# Altium PCB OBC Development Board.PcbDoc (part 2 of 3)
Units mil, origin at the board's own origin, x right, y up, seen from the top; angles counter-clockwise.
Board outline 3775.59 x 3550.2 mil, 6 copper layers (L1 Top Layer, L2 GND, L3 Signal, L4 Signal, L5 GND, L6 Bottom Layer), stack 61.638 mil thick; 225 components, 188 nets, 885 pads, 667 vias.
Unrouted connection lines stored in the file: 1.
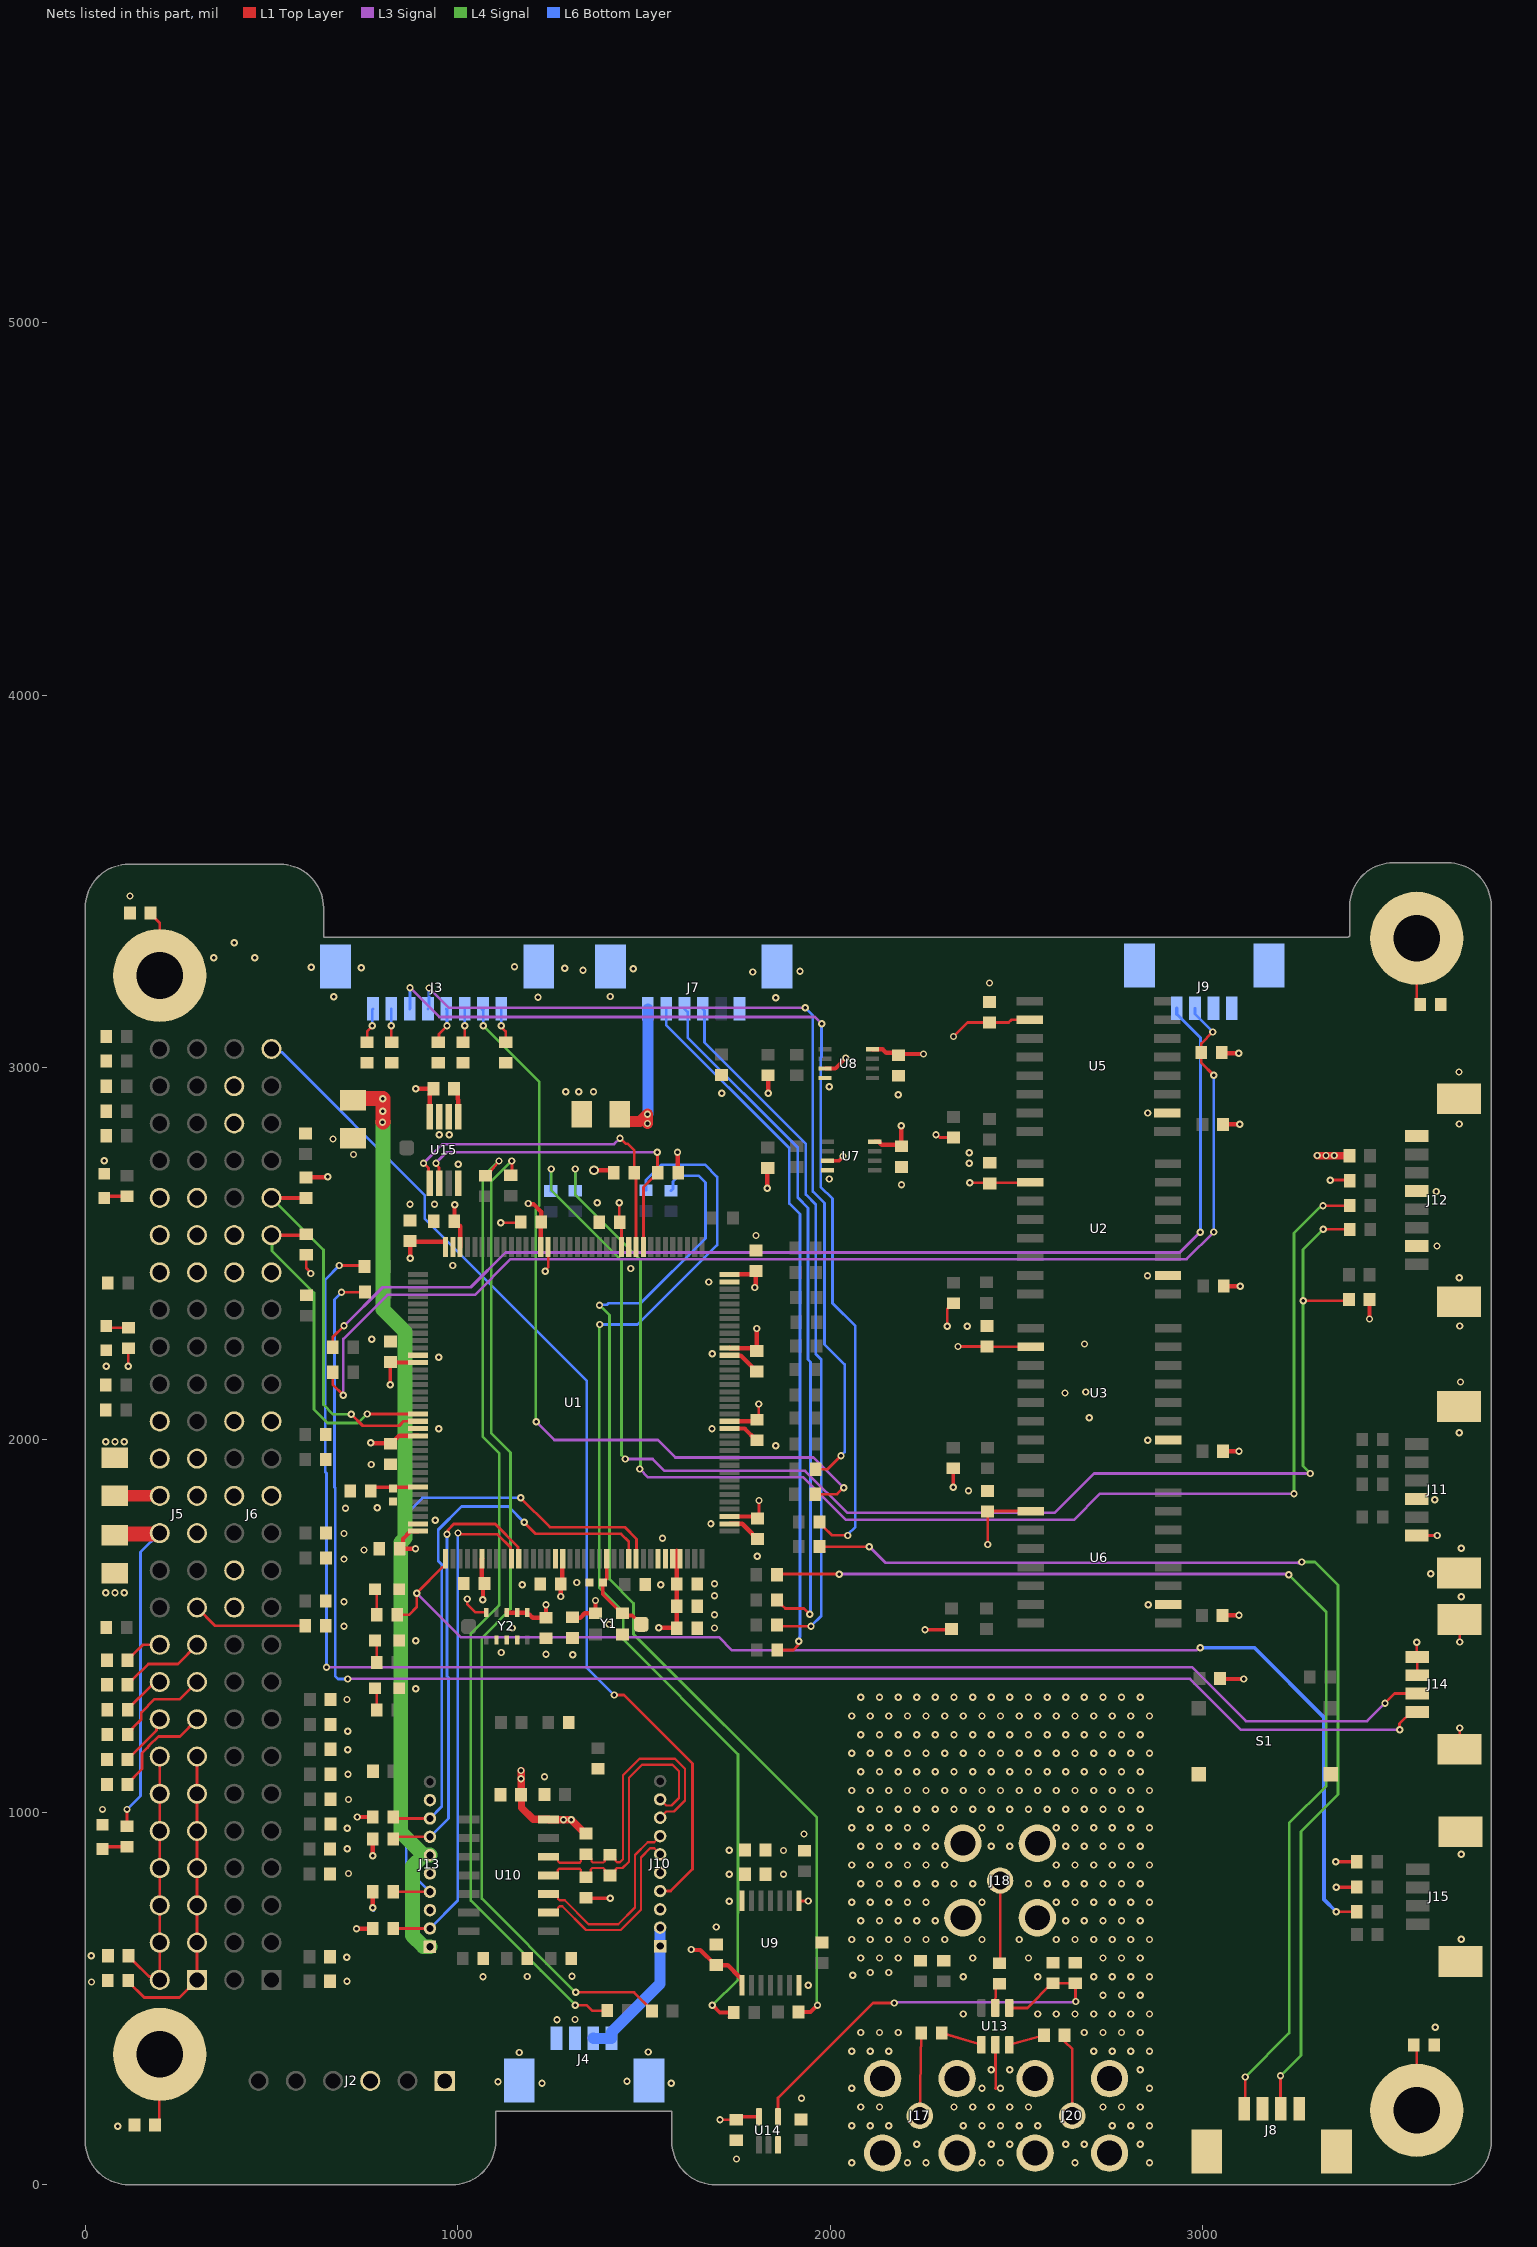
[diagram p6: the nets of this part, all layers, seen from the top]

## Via types
v1: diameter 19.68, hole 9.84, L1 Top Layer to L6 Bottom Layer, tented both sides, 666 vias
v2: diameter 26, hole 15, L1 Top Layer to L6 Bottom Layer, tented both sides, 1 vias

## Nets (pads, with @x,y where several pads share a name; then routed paths per layer and width w, separated by ;. In a path a pad name is that pad's centre, name@x,y a point inside that pad or via, vN(x,y) a via of type N, cw(c..) or ccw(c..) an arc to the next point about the centre after c; other vN are vias at no path point)
3V3: C1.2 C2.2 C3.2 C4.2 C5.2 C6.2 C7.2 C8.2 C9.2 C10.2 C12.2 C13.1 C14.2 C15.2 C16.2 C17.2 C18.2 C20.2 C22.1 C23.2 C25.2 C26.1 C27.1 C28.1 C30.1 C51.2 C53.2 C54.2 J2.01 J5.27 J5.28 J11.1 R19.1 R20.1 R34.1 R35.1 R38.2 R49.1 R54.1 R70.1 R71.1 R79.2 R82.1 R85.1 R86.1 R91.2 R92.1 R93.1 R117.1 R126.1 R128.1 R129.1 R134.2 R137.2 R138.1 U1.6 U1.17 U1.32 U1.33 U1.39 U1.52 U1.62 U1.72 U1.84 U1.95 U1.106 U1.108 U1.121 U1.131 U1.144 U2.2 U3.2 U5.2 U6.2 U7.3 U7.8 U8.3 U8.8 U9.1 U9.8 U14.5 U15.8 Y1.4 Y2.1 Y2.2 Y2.3 | length 5263.9
  L1 Top Layer w7.33: v1(115.16,2197.83) 115.16,2244.77 R134.2@116.45,2246.06 ; R91.2@592.52,2704.72 R91.2@594.49,2704.72 ; R92.1@593.5,2496.06 593.5,2462 605.32,2450.19 v1(605.32,2446.85) ; C54.2@944.88,2942.91 C54.2@946.36,2941.44 ; v1(1434.06,2636.81) 1434.06,2585.63 1439.81,2579.87 U1.84@1439.81,2517.91 ; v1(1704.47,174.21) C53.2@1748.03,174.21 ; C6.2@1790.17,1794.48 C6.2@1797.24,1787.4 ; C6.2@1805.12,1789.37 1809.06,1793.31 v1(1809.06,1837.6) ; C7.2@1806,2050 1808.67,2052.67 v1(1808.67,2096.64) ; U9.8@1916.74,762.04 v1(1941.17,762.04) ; v1(2284.45,2819.88) 2287.07,2819.88 2294.94,2812.01 R126.1@2331.69,2812.01 ; v1(2314.96,2305.12) 2314.96,2352.36 2329.72,2367.13 R117.1@2331.69,2367.13 ; v1(2331.69,3083.66) 2369.31,3121.28 2479.65,3121.28 2486.69,3128.32 U5.2@2543.77,3128.32 ; v1(2343.5,2250.98) C23.2@2419.29,2250.98 ; v1(2375,2690.95) 2427.17,2690.95 C22.1@2429.13,2688.98 2431.02,2690.87 U2.2@2543.15,2690.87 ; C25.2@2411.42,1809.39 2411.42,1811.02 C25.2@2412.4,1812.01 ; C25.2@2415.02,1809.39 U6.2@2519.83,1809.39 ; v1(2423.23,1719.49) C25.2@2423.23,1811.02 ; C23.2@2429.13,2250 2429.39,2250.25 U3.2@2546.41,2250.25 ; 2441.93,1808.41 U6.2@2538.54,1808.41 ; v1(3343.5,2697.83) 3393.7,2697.83 R38.2@3395.67,2695.87 ; J11.1@3575.16,1743.31 v1(3630.51,1743.31)
  L1 Top Layer w10: C16.2@815.94,2214.57 822.65,2207.87 U1.121@893.55,2207.87 ; C16.2@818.31,2209.25 819.3,2208.26 v1(819.3,2148.22) ; v1(1189.96,2634.84) v1@1191.37,2633.43 ; C14.2@1224.41,2585.63 C14.2@1224.63,2585.85 ; C12.2@1237.2,1536.43 v1(1237.2,1557.09) ; C20.2@1309.06,1522.64 C20.2@1308.07,1523.62 C20.2@1312.01,1527.56 ; Y1.4@1370.08,1534.45 v1(1370.08,1568.9) ; R70.1@1590.55,2719.49 R70.1@1592.52,2717.52 ; C53.2@1748.03,174.21 1756.3,182.48 U14.5@1809.06,182.48 ; R128.1@1831.69,2729.33 R128.1@1832.68,2730.32 R128.1@1834.65,2730.32 ; U8.3@1986.89,2997.64 2014.37,2997.64 v1(2042.32,3025.59) ; U7.3@1993.07,2749.61 2024.38,2749.61 2034.71,2759.94 v1(2034.71,2761.81) ; C28.1@2184.06,3033.46 C28.1@2187.01,3036.42 ; C27.1@2190.94,2789.37 C27.1@2191.93,2788.39 ; v1(2254.92,1490.16) 2323.82,1490.16 R34.1@2325.79,1492.13 ; v1(2330.71,1873.03) R35.1@2330.71,1924.21 ; R79.2@3047.24,1359.25 3048.23,1358.27 v1(3111.22,1358.27)
  L1 Top Layer w11.81: R91.2@592.52,2705.94 650.35,2705.94 v1(651.57,2707.17) ; R91.2@594.49,2704.72 R91.2@595.71,2705.94 ; v1(728.35,687.01) 770.84,687.01 R20.1@772.06,688.22 ; v1(730.63,987.43) R54.1@772.06,987.43 ; v1(766.73,1992.13) 767.72,1991.14 820.87,1991.14 821.85,1990.16 842.71,2011.02 U1.131@893.55,2011.02 ; v1(772.06,743.51) R49.1@772.06,786.65 ; v1(772.06,883.46) R19.1@772.06,928.38 ; C51.2@872.05,2534.45 873.03,2533.46 v1(873.03,2488.19) ; C51.2@874.02,2532.7 966.39,2532.7 967.37,2531.72 U1.108@967.37,2517.91 ; v1(887,1708) C18.2@844.56,1708 853.11,1716.55 853.11,1734.35 872.88,1754.13 892.57,1754.13 U1.144@893.55,1755.11 ; v1(887.8,2942.91) C54.2@935.04,2942.91 ; C54.2@922.56,2941.61 C54.2@930.43,2949.49 ; U15.8@925.2,2868.04 925.2,2931.1 932.4,2938.31 C54.2@937.68,2938.31 ; v1(992.13,2631.89) 991.63,2631.4 991.63,2588.09 C15.2@991.14,2587.6 1000.98,2580.09 1006.74,2574.33 U1.106@1006.74,2517.91 ; C4.2@1064.81,1607.25 1064.81,1680.31 U1.6@1065.8,1681.29 ; v1(1067.18,1571.3) 1068.04,1572.16 1068.04,1604.6 1067.62,1605.02 C4.2@1068.9,1606.3 ; Y2.3@1132,1538.21 1132,1536.53 1132.09,1536.43 Y2.1@1187.01,1536.43 ; Y2.1@1187.01,1537.21 1187.01,1531.21 1187.1,1531.12 1193.1,1531.12 1201.58,1522.64 C12.2@1237.2,1522.64 ; v1@1191.37,2633.43 1203.68,2633.43 1224.63,2612.49 C14.2@1224.63,2585.85 ; U1.95@1223.28,2517.91 1223.28,2584.5 C14.2@1224.41,2585.63 ; v1(1276.57,1579.72) C5.2@1276.57,1613.19 C5.2@1276.57,1613.98 ; C5.2@1276.56,1614 1281.35,1618.79 1281.35,1680.31 U1.17@1282.33,1681.29 ; C20.2@1309.06,1522.64 1329.72,1522.64 1341.54,1534.45 Y1.4@1370.08,1534.45 ; v2(1366.14,2724.41) 1413.83,2724.41 R71.1@1416.34,2721.9 ; v1(1540.35,1496.06) 1586.42,1496.06 C3.2@1588.13,1494.35 C2.2@1588.13,1553.4 1588.13,1702.87 ; v1(1626.97,631.89) 1628.48,630.38 1651.74,630.38 1692.33,589.8 1725.17,589.8 1757.65,557.31 1762.21,557.31 1763.2,556.33 U9.1@1763.2,535.66 ; U1.52@1730.17,2050.39 1730.36,2050.19 1805.81,2050.19 C7.2@1806,2050 ; U1.62@1730.17,2247.24 1731.15,2246.25 1795.75,2246.25 C8.2@1803,2239 1803.15,2239.15 v1(1803.15,2299.45) ; U1.72@1730.17,2444.09 1731.15,2445.07 1792.63,2445.07 C9.2@1801,2453.44 1801,2414.35 1798.23,2411.58 v1(1798.23,2409.45) ; U1.39@1730.46,1794.18 U1.39@1730.17,1794.48 C6.2@1790.17,1794.48 ; v1(1831.69,2676.18) R128.1@1831.69,2729.33 ; v1(1833.66,2931.1) R129.1@1833.66,2979.33 ; U8.8@2114.06,3048.82 2141.73,3048.82 2151.18,3039.37 C28.1@2184.06,3039.37 ; U7.8@2120.24,2800.79 2132.05,2800.79 2132.05,2799.24 2138.97,2792.32 2187.99,2792.32 2190.94,2789.37 v1(2190.94,2843.5) ; C28.1@2187.01,3036.42 v1(2250.98,3036.42) ; R137.2@3052.17,3040.35 3054.13,3038.39 v1(3097.44,3038.39) ; R86.1@3054.13,1528.54 3055.12,1529.53 v1(3098.43,1529.53) ; R85.1@3055.12,1969.49 v1(3098.43,1969.49) ; R93.1@3055.12,2847.44 v1(3100.39,2847.44) ; R82.1@3057.09,2413.39 3058.07,2412.4 v1(3101.38,2412.4) ; v1(3448.82,2324.8) R138.1@3448.82,2376.97
  L1 Top Layer w11.88: R70.1@1590.55,2719.49 v1(1590.55,2772.64)
  L1 Top Layer w30: C13.1@78.74,1850.39 79.13,1850 J5.28@200,1850
  L6 Bottom Layer w7.33: v1(772.06,743.51) 773.91,741.66 v1@773.91,736.02
3V3_ANT_DEPLOY: C49.1 J6.50 J13.1 J13.6 | length 2469.1
  L1 Top Layer w40: C49.1@719.02,2912.72 722.83,2916.54 v1(799.02,2916.54) 799.21,2916.34 v1@799.21,2853.35
  L4 Signal w40: v1@800,2853.35 800,2350 859.14,2290.86 859.14,1736.48 847.16,1724.5 847.16,946.64 906.24,887.55 ; J13.1@925.6,639.01 908.72,639.01 878.87,668.86 878.87,855.22 908.72,885.07 J13.6@925.6,885.07
  other v1: 798.23,2853.35 799.21,2882.87
3V3_CAM: C48.1 J6.48 J7.1 | length 403.4
  L1 Top Layer w30: C48.1@1435,2875 1435,2867.54 1447.56,2854.99 1489.99,2854.99 v1(1510,2875) v1(1510,2850)
  L6 Bottom Layer w30: v1@1510.83,2875 J7.1@1510.83,3157.48
5V: C11.1 C29.1 C31.2 C32.1 J5.25 J5.26 R8.2 R41.2 R135.2 U9.14 U10.14 | length 1362.3
  L1 Top Layer w7.33: R135.2@112.2,962.6 v1(112.2,1007.87)
  L1 Top Layer w10: U10.14@1220.31,986.21 1225.81,980.71 U10.14@1244.06,980.71 ; R8.2@1342.52,942.91 R8.2@1344.49,942.91
  L1 Top Layer w15: R41.2@3394.65,2763.58 R41.2@3394.84,2763.39
  L1 Top Layer w20: v1(1170.28,1112.2) C32.1@1170.28,1047.24 1171.49,1046.03 1171.49,1012.57 1202.87,981.19 1243.58,981.19 U10.14@1244.06,980.71 ; U10.14@1244.23,980.88 1244.79,980.31 v1(1284.45,980.31) v1(1305.12,980.31) R8.2@1342.52,942.91 ; v1(3308.07,2763.78) 3308.27,2763.58 R41.2@3394.65,2763.58
  L1 Top Layer w40: C11.1@78.74,1744.09 81.69,1747.05 197.05,1747.05 J5.26@200,1750
  L6 Bottom Layer w7.33: v1(112.2,1007.87) 148.62,1044.29 148.62,1698.62 J5.26@200,1750
  other v1: 1729.33,760.83 1729.33,833.66 1729.33,898.62 1170.28,1090.55 3331.69,2763.78 3354.33,2763.78
5V0_MPI: J6.51 J10.4 | length 2809.2
  L1 Top Layer w7.33: v1(1420.28,1314.96) 1446.85,1314.96 1630.91,1130.91 1630.91,847.44 1572.08,788.61 J10.4@1543.71,788.61
  L6 Bottom Layer w7.33: J6.51@500,3050 508.92,3041.08 527.82,3041.08 911.42,2657.48 911.42,2594.49 1346.57,2159.33 1346.57,1578.64 1346.57,1388.66 v1(1420.28,1314.96)
12V_MPI: J4.1 J4.2 J10.1 J10.2 | length 400.6
  L6 Bottom Layer w30: J4.2@1364.17,393.7 1365.16,392.72 1412.64,392.72 1413.39,393.46 J4.1@1413.39,393.7 1413.39,409.45 1543.71,539.77 J10.1@1543.71,640.98 J10.2@1543.71,690.19
BOOM_CTRL_1: J8.1 R10.2 | length 2943.6
  L1 Top Layer w7.33: R10.2@1859.25,1639.76 v1(2024.61,1639.76) ; J8.1@3115.16,206.69 v1(3115.16,289.37)
  L1 Top Layer w10: R10.2@1857.28,1637.8 R10.2@1859.25,1639.76 ; J8.1@3112.2,203.74 J8.1@3115.16,206.69
  L3 Signal w7.33: v1(2024.61,1639.76) v1@3227.69,1639.76
  L3 Signal w10: v1@3227.69,1639.76 3229.66,1637.8 v1(3232.28,1637.8)
  L4 Signal w7.33: v1(3115.16,289.37) 3233.03,407.24 3233.03,971.22 3332.72,1070.91 3332.72,1537.36 v1(3232.28,1637.8)
BOOM_CTRL_2: J8.3 R39.1 | length 2941.3
  L1 Top Layer w7.33: R39.1@1984.17,1700.87 1982.2,1700.87 1971.46,1711.61 R39.1@1971.46,1713.58 v1(2105.31,1713.58) ; J8.3@3209.65,189.19 v1(3209.65,292.32)
  L3 Signal w7.33: v1(2105.31,1713.58) 2148.62,1670.28 v1@3257.92,1670.28
  L3 Signal w10: v1@3257.92,1670.28 3258.03,1670.39 3264.88,1670.39 v1(3266.73,1672.24)
  L4 Signal w7.33: v1(3209.65,292.32) 3264.76,347.44 3264.76,948.82 3364.17,1048.23 3364.17,1610.24 3302.17,1672.24 v1(3266.73,1672.24)
BOOT0: C37.1 R33.2 U1.138 | length 131
  L1 Top Layer w10: R33.2@766.73,1863.19 776.76,1873.22 U1.138@893.55,1873.22
CAM_EN: J7.2 R31.1 | length 1921
  L1 Top Layer w7.33: R31.1@1858.27,1436.02 1901.69,1436.02 1914.49,1448.82 1914.49,1458.03 v1(1916.34,1459.88)
  L6 Bottom Layer w7.33: J7.2@1560.04,3157.48 1560.04,3114.17 1890.75,2783.46 1890.75,2634.84 1919.29,2606.3 1919.29,1471.77 1918.19,1470.67 1918.19,1461.74 v1(1916.34,1459.88)
Debug_LED: R1.2 R58.1 U1.1 | length 3392.5
  L1 Top Layer w7.33: R1.2@838.1,1530.44 869.44,1530.44 889.84,1550.84 v1(889.84,1588.46) 959.76,1658.38 964.15,1658.38 967.37,1661.61 U1.1@967.37,1665.99 ; v1(3359.25,733.27) R58.1@3414.37,733.27
  L1 Top Layer w11.81: U1.1@966.39,1670.28 967.37,1671.26 U1.1@967.37,1681.29
  L3 Signal w7.04: v1(889.84,1588.46) 1008.07,1470.24 1701.23,1470.24 1736.43,1435.04 2984.58,1435.04 v1@2991.47,1441.93
  L3 Signal w10: v1@2991.47,1441.93 v1(2994.09,1441.93)
  L6 Bottom Layer w10: v1(2994.09,1441.93) 3139.76,1441.93 3326.77,1254.92 3326.77,765.75 v1(3359.25,733.27)
GND: C1.1 C2.1 C3.1 C4.1 C5.1 C6.1 C7.1 C8.1 C9.1 C10.1 C11.2 C12.1 C13.2 C14.1 C15.1 C16.1 C17.1 C18.1 C19.1 C20.1 C21.2 C22.2 C23.1 C25.1 C26.2 C27.2 C28.2 C29.2 C30.2 C31.1 C32.2 C37.2 C43.2 C46.1 C48.2 C49.2 C51.1 C53.1 C54.1 D1.C D2.C D3.C D4.C D5.C D6.C J2.03 J3.S1 J3.S2 J4.3 J4.4 J4.S1 J4.S2 J5.29 J5.30 J5.32 J5.39 J5.40 J5.41 J5.42 J5.43 J5.44 J6.22 J6.24 J6.27 J6.28 J6.31 J6.32 J6.39 J6.40 J6.42 J7.6 J7.S1 J7.S2 J8.2 J8.4 J8.S1 J8.S2 J9.3 J9.4 J9.S1 J9.S2 J10.3 J10.5 J11.3 J11.S1 J11.S2 J12.2 J12.5 J12.8 J12.S1 J12.S2 J13.3 J13.5 J13.9 J14.3 J14.4 J14.S1 J14.S2 J15.S1 J15.S2 J17.0 J18.0 J20.0 R4.1 R5.1 R6.1 R7.1 R11.1 R33.1 R55.1 R59.1 R60.1 R61.1 R63.1 R64.1 R65.2 R66.1 R68.1 R69.1 R72.1 R73.1 R74.1 R75.1 R76.1 R78.1 R80.1 R81.1 R84.1 R94.2 R95.1 R96.1 R97.2 R98.2 R99.2 R100.1 R101.2 R102.1 R103.2 R104.1 R105.2 R106.1 R108.2 R110.1 R111.2 R112.1 R113.2 R114.1 R115.2 R116.1 R118.2 R119.1 R120.2 R121.1 R122.2 R123.1 R124.2 R125.2 R127.2 R131.1 R132.1 R133.2 R139.1 R140.1 R141.1 S1.3 S1.4 U1.16 U1.30 U1.31 U1.38 U1.51 U1.61 U1.71 U1.83 U1.94 U1.107 U1.120 U1.130 U1.143 U2.10 U3.10 U5.10 U6.10 U7.4 U8.4 U9.7 U13.2 U14.3 U15.4 U15.5 U15.6 U15.7 Y1.2 Y2.5 Y2.7 Y2.8 Y2.9 | length 1038.9
  L1 Top Layer w7.33: v1(1025.59,1572.83) 1026.11,1572.32 1026.11,1558.54 1047.43,1537.21 Y2.5@1076.77,1537.21 ; v1(1116.14,2583.66) C14.1@1160.43,2583.66 ; v1(1235,2453) 1235,2455.62 1242.96,2463.58 U1.94@1242.96,2517.91 ; C6.1@1791.07,1746.34 C6.1@1791.07,1748.3 ; C7.1@1802.17,1999.02 C7.1@1804.13,1999.02 ; C6.1@1803.15,1734.25 C6.1@1805.12,1734.25 ; U13.2@2443.9,375.79 2444.29,375.39 2444.69,258.66 2444.29,259.06 ; v1(3575.79,1456.69) 3575.79,1418.31 J14.4@3576.77,1417.32 J14.3@3576.77,1368.11 ; J14.S1@3690.94,1169.29 v1(3690.94,1226.38) ; v1(3690.94,1457.68) J14.S2@3690.94,1517.72
  L1 Top Layer w10: R11.1@1344.49,770.67 1345.47,769.69 v1(1409.45,769.69) ; v1(3358.27,867.13) R76.1@3414.37,867.13 ; v1(3359.25,799.21) R59.1@3414.37,799.21
  L1 Top Layer w11.81: C54.1@990.16,2942.91 1000,2933.07 1000,2915.35 1001.97,2913.39 U15.5@1001.97,2868.04 ; U1.38@1730.17,1774.8 1764.57,1774.8 C6.1@1791.07,1748.3 ; U1.51@1730.17,2030.7 1770.48,2030.7 C7.1@1802.17,1999.02 ; U1.61@1730.17,2227.55 1731.15,2226.57 1760.35,2226.57 1767.65,2219.27 ; 1767.65,2219.24 1791.19,2195.69 1791.19,2193.72 1801.03,2183.88 C8.1@1803,2183.88 ; C6.1@1791.07,1746.34 C6.1@1803.15,1734.25
  other v1: 2057.87,58.66 2207.87,58.66 2257.87,58.66 2407.87,58.66 2457.87,58.66 2657.87,58.66 2857.87,58.66 1749.02,68.9 2232.87,108.66 2432.87,108.66 2482.87,108.66 2632.87,108.66 2682.87,108.66 2832.87,108.66 87.6,157.48 2057.87,158.66 2107.87,158.66 2157.87,158.66 2357.87,158.66 2407.87,158.66 2457.87,158.66 2507.87,158.66 2557.87,158.66 2757.87,158.66 2807.87,158.66 2857.87,158.66 2082.87,208.66 2132.87,208.66 2332.87,208.66 2382.87,208.66 2432.87,208.66 2482.87,208.66 2532.87,208.66 2732.87,208.66 2782.87,208.66 2832.87,208.66 1923.23,232.28 2057.87,258.66 2407.87,258.66 2457.87,258.66 2857.87,258.66 1226.38,272.64 1573.82,272.64 1108.27,276.57 1454.72,277.56 2432.87,308.66 2482.87,308.66 2832.87,308.66 1165.35,355.32 1511.81,356.3 2057.87,358.66 2107.87,358.66 2157.87,358.66 2707.87,358.66 2757.87,358.66 2807.87,358.66 2857.87,358.66 2082.87,408.66 2132.87,408.66 2182.87,408.66 2682.87,408.66 2732.87,408.66 2782.87,408.66 2832.87,408.66 3625,423.23 1266.73,442.91 1314.96,443.9 2357.87,458.66 2557.87,458.66 2607.87,458.66 2657.87,458.66 2707.87,458.66 2757.87,458.66 2807.87,458.66 2857.87,458.66 2732.87,508.66 2782.87,508.66 2832.87,508.66 1941.17,535.43 16.73,544.29 702.76,546.26 1067.91,558.07 1187.01,559.06 2357.87,558.66 2557.87,558.66 2707.87,558.66 2757.87,558.66 2807.87,558.66 2857.87,558.66 1307.09,560.04 2061.4,562.19 2107.87,569.77 2157.87,569.77 2082.87,608.66 2132.87,608.66 2182.87,608.66 2382.87,608.66 2532.87,608.66 2732.87,608.66 2782.87,608.66 2832.87,608.66 701.77,611.22 15.75,615.16 2057.87,658.66 2107.87,658.66 2157.87,658.66 2207.87,658.66 2257.87,658.66 2307.87,658.66 2407.87,658.66 2507.87,658.66 2607.87,658.66 2657.87,658.66 2707.87,658.66 2757.87,658.66 2807.87,658.66 2857.87,658.66 3694.88,659.45 1694.88,691.93 2082.87,708.66 2132.87,708.66 2182.87,708.66 2232.87,708.66 2282.87,708.66 2632.87,708.66 2682.87,708.66 2732.87,708.66 2782.87,708.66 2832.87,708.66 2057.87,758.66 2107.87,758.66 2157.87,758.66 2207.87,758.66 2257.87,758.66 2407.87,758.66 2607.87,758.66 2657.87,758.66 2707.87,758.66 2757.87,758.66 2807.87,758.66 2857.87,758.66 2082.87,808.66 2132.87,808.66 2182.87,808.66 2232.87,808.66 2282.87,808.66 2332.87,808.66 2382.87,808.66 2532.87,808.66 2582.87,808.66 2632.87,808.66 2682.87,808.66 2732.87,808.66 2782.87,808.66 2832.87,808.66 1875,833.66 706.69,835.63 2057.87,858.66 2107.87,858.66 2157.87,858.66 2207.87,858.66 2257.87,858.66 2307.87,858.66 2607.87,858.66 2657.87,858.66 2707.87,858.66 2757.87,858.66 2807.87,858.66 2857.87,858.66 3694.88,887.8 1875,897.64 703.74,902.56 2082.87,908.66 2132.87,908.66 2182.87,908.66 2232.87,908.66 2282.87,908.66 2432.87,908.66 2482.87,908.66 2632.87,908.66 2682.87,908.66 2732.87,908.66 2782.87,908.66 2832.87,908.66 1930.12,941.93 703.74,957.68 2057.87,958.66 2107.87,958.66 2157.87,958.66 2207.87,958.66 2257.87,958.66 2407.87,958.66 2457.87,958.66 2607.87,958.66 2657.87,958.66 2707.87,958.66 2757.87,958.66 2807.87,958.66 2857.87,958.66 46.26,1007.87 2082.87,1008.66 2132.87,1008.66 2182.87,1008.66 2232.87,1008.66 2282.87,1008.66 2332.87,1008.66 2382.87,1008.66 2432.87,1008.66 2482.87,1008.66 2532.87,1008.66 2582.87,1008.66 2632.87,1008.66 2682.87,1008.66 2732.87,1008.66 2782.87,1008.66 2832.87,1008.66 706.69,1034.45 2057.87,1058.66 2107.87,1058.66 2157.87,1058.66 2207.87,1058.66 2257.87,1058.66 2307.87,1058.66 2357.87,1058.66 2407.87,1058.66 2457.87,1058.66 2507.87,1058.66 2557.87,1058.66 2607.87,1058.66 2657.87,1058.66 2707.87,1058.66 2757.87,1058.66 2807.87,1058.66 2857.87,1058.66 1233.27,1095.47 705.71,1102.36 2082.87,1108.66 2132.87,1108.66 2182.87,1108.66 2232.87,1108.66 2282.87,1108.66 2332.87,1108.66 2382.87,1108.66 2432.87,1108.66 2482.87,1108.66 2532.87,1108.66 2582.87,1108.66 2632.87,1108.66 2682.87,1108.66 2732.87,1108.66 2782.87,1108.66 2832.87,1108.66 2057.87,1158.66 2107.87,1158.66 2157.87,1158.66 2207.87,1158.66 2257.87,1158.66 2307.87,1158.66 2357.87,1158.66 2407.87,1158.66 2457.87,1158.66 2507.87,1158.66 2557.87,1158.66 2607.87,1158.66 2657.87,1158.66 2707.87,1158.66 2757.87,1158.66 2807.87,1158.66 2857.87,1158.66 704.72,1168.31 2082.87,1208.66 2132.87,1208.66 2182.87,1208.66 2232.87,1208.66 2282.87,1208.66 2332.87,1208.66 2382.87,1208.66 2432.87,1208.66 2482.87,1208.66 2532.87,1208.66 2582.87,1208.66 2632.87,1208.66 2682.87,1208.66 2732.87,1208.66 2782.87,1208.66 2832.87,1208.66 704.72,1217.52 2057.87,1258.66 2107.87,1258.66 2157.87,1258.66 2207.87,1258.66 2257.87,1258.66 2307.87,1258.66 2357.87,1258.66 2407.87,1258.66 2457.87,1258.66 2507.87,1258.66 2557.87,1258.66 2607.87,1258.66 2657.87,1258.66 2707.87,1258.66 2757.87,1258.66 2807.87,1258.66 2857.87,1258.66 702.76,1303.15 2082.87,1308.66 2132.87,1308.66 2182.87,1308.66 2232.87,1308.66 2282.87,1308.66 2332.87,1308.66 2382.87,1308.66 2432.87,1308.66 2482.87,1308.66 2532.87,1308.66 2582.87,1308.66 2632.87,1308.66 2682.87,1308.66 2732.87,1308.66 2782.87,1308.66 2832.87,1308.66 887.8,1331.69 1309.06,1423.23 1237.2,1424.21 1117.13,1429.13 887.8,1460.63 1146.65,1495.08 1689.96,1495.08 694.88,1500 1406.5,1504.92 1689.96,1530.51 2854.33,1557.09 694.88,1565.94 3694.88,1578.74 1689.96,1581.69 55,1590 80,1590 105,1590 1173.23,1611.22 1545.28,1611.22 1689.96,1614.17 1319.88,1617.13 3613.19,1640.75 694.88,1680.12 1804.13,1687.99 748.43,1704.72 3694.88,1709.65 1550.2,1736.22 694.88,1749.02 1680.12,1774.61 939.96,1784.45 698.82,1816.93 784.45,1817.91 3624.02,1839.57 2372.05,1863.19 767.72,1934.06 1854.33,1984.25 55,1995 80,1995 105,1995 2853.35,1999.02 3689.84,2019.68 948.82,2030.51 1683.07,2030.51 2695.87,2060.04 2630.91,2125.98 2687.01,2128.94 3692.91,2155.51 56.1,2197.83 948.82,2222.44 1684.06,2231.37 2683.31,2257.87 769.69,2270.67 2368.11,2305.12 3690.94,2306.1 1674.21,2424.21 3689.96,2436.02 2852.36,2440.95 1464.8,2460.63 987.2,2468.5 3629.92,2520.67 1801.18,2549.21 872.05,2632.87 937.99,2632.87 1375,2636.81 3627.95,2667.32 2191.93,2685.04 1998.29,2700.79 1001.97,2740.16 2374.02,2743.11 51.18,2750 720.47,2766.73 2374.02,2771.65 665.35,2808.07 950.79,2819.88 977.36,2819.88 3689.96,2848.43 2853.35,2877.95 2183.07,2927.17 1709.65,2931.1 1290,2935 1325,2935 1365,2935 1998.29,2948.82 3688.98,2988.19 1854.33,3187.76 1215.55,3188.98 667.32,3189.96 1409.45,3190.94 2428.15,3227.36 1792.32,3256.89 1919.29,3258.86 1336.61,3261.81 1471.46,3265.75 1287.4,3266.73 741.14,3267.72 607.28,3269.68 1152.56,3270.67 345,3295 455,3295 400,3335 120.08,3460.63
GPS_PPS: J3.7 R30.2 | length 2158.2
  L1 Top Layer w7.33: R30.2@1960.63,1854.33 2018.7,1854.33 v1(2036.42,1872.05)
  L3 Signal w7.04: v1(1210.63,2049.21) 1259.84,2000 1537.4,2000 1584.65,1952.76 1955.71,1952.76 v1(2036.42,1872.05)
  L4 Signal w7.04: v1(1068.9,3112.2) 1219.49,2961.61 1219.49,2629.24 1210.16,2619.91 1210.16,2049.69 v1(1210.63,2049.21)
  L6 Bottom Layer w7.33: J3.7@1066.93,3156.5 1068.9,3154.53 v1(1068.9,3112.2)
  L6 Bottom Layer w9.84: J3.7@1066.93,3156.5 J3.7@1067.91,3157.48
I2C1_SCL: J6.43 R91.1 U1.129 | length 1005.8
  L1 Top Layer w7.33: v1(714.57,2068.9) 745.22,2038.25 843.08,2038.25 855.22,2050.39 U1.129@893.55,2050.39
  L1 Top Layer w10: J6.43@500,2650 591.73,2650 592.13,2649.61 R91.1@601.38,2649.61 ; R91.1@592.13,2650 R91.1@600.98,2650
  L4 Signal w7.04: J6.43@500,2650 639.68,2510.32 639.68,2094.68 665.47,2068.9 v1(714.57,2068.9)
I2C1_SDA: J6.41 R92.2 U1.128 | length 916.4
  L1 Top Layer w7.33: v1(756.89,2069.88) U1.128@893.36,2069.88
  L1 Top Layer w10: J6.41@500,2550 R92.2@593.5,2550 ; R92.2@591.34,2550 R92.2@593.5,2552.17
  L4 Signal w7.04: J6.41@500,2550 501.32,2548.68 501.32,2508.03 614.17,2395.18 614.17,2081.69 650.33,2045.54 732.54,2045.54 v1(756.89,2069.88)
I2C2_SCL: J13.7 R19.2 U1.11 | length 1200.5
  L1 Top Layer w7.33: R19.2@827.17,928.38 833.08,934.28 J13.7@925.6,934.28 ; v1(971.46,1747.05) 973.82,1749.41 973.82,1758.27 989.61,1774.06 1100.9,1774.06 1162.33,1712.63 1162.33,1683.18 U1.11@1164.22,1681.29
  L6 Bottom Layer w7.33: J13.7@925.6,934.28 975.16,983.84 975.16,1361.92 971.46,1365.62 v1(971.46,1747.05)
I2C2_SDA: J13.2 R20.2 U1.10 | length 1379.9
  L1 Top Layer w7.33: R20.2@827.17,688.22 J13.2@925.6,688.22 ; v1(1000.98,1750.1) 1003.35,1747.74 1009.27,1747.74 1010.47,1746.53 1107.22,1746.53 1142.65,1711.1 1142.65,1683.18 U1.10@1144.54,1681.29
  L6 Bottom Layer w7.33: J13.2@925.6,688.22 1000,762.62 1000,1749.12 v1(1000.98,1750.1)
I2C3_SCL: J13.8 R54.2 U1.26 | length 1514.9
  L1 Top Layer w7.33: R54.2@827.17,987.43 831.11,983.5 J13.8@925.6,983.5 ; v1(1178.81,1778.87) 1209.65,1748.03 1438.98,1748.03 1459.5,1727.51 U1.26@1459.5,1681.29
  L6 Bottom Layer w7.33: J13.8@925.6,983.5 957.33,1015.23 957.33,1665.7 947.83,1675.2 947.83,1758.86 1010.05,1821.07 1136.6,1821.07 v1(1178.81,1778.87)
I2C3_SDA: J13.4 R49.2 U1.27 | length 1874.4
  L1 Top Layer w7.33: R49.2@827.17,786.65 J13.4@925.6,786.65 ; v1(1169.29,1844.49) 1248.03,1765.75 1448.82,1765.75 1480.32,1734.25 1480.32,1682.43 U1.27@1479.18,1681.29
  L6 Bottom Layer w7.33: J13.4@925.6,786.65 862.16,850.09 862.16,1801.18 905.46,1844.49 v1(1169.29,1844.49)
I2C4_SCL: R70.2 U1.81 U15.2 | length 937.6
  L1 Top Layer w7.33: v1(941.88,2743.1) 941.88,2739.75 949.8,2731.83 949.8,2690.03 U15.2@950.79,2689.04 ; U1.81@1498.87,2517.91 1498.87,2678.98 1523.35,2703.47 1525.32,2703.47 1537.4,2715.55 R70.2@1537.4,2717.52 1536.42,2718.5 v1(1536.42,2772.64)
  L3 Signal w7.33: v1(941.88,2743.1) 941.88,2744.54 969.97,2772.64 v1(1536.42,2772.64)
I2C4_SDA: R71.2 U1.82 U15.1 | length 929.6
  L1 Top Layer w7.33: v1(908.46,2743.11) 921.43,2730.15 921.43,2692.81 U15.1@925.2,2689.04 ; v1(1436.02,2810.04) 1436.75,2810.04 1451.12,2795.67 1456.3,2795.67 1474.41,2777.56 1474.41,2715.55 1479.18,2710.78 U1.82@1479.18,2517.91
  L3 Signal w7.33: v1@908.64,2743.11 959.83,2794.29 1420.28,2794.29 v1(1436.02,2810.04)
MISO_LPUART1_RX: R18.1 R42.1 R138.2 | length 3748.1
  L1 Top Layer w7.33: v1(3270.67,2374.02) 3390.75,2374.02 R138.2@3393.7,2376.97 ; v1(3324.8,2565.95) 3392.72,2565.95 R42.1@3393.7,2566.93
  L1 Top Layer w10: R42.1@3393.7,2566.93 R42.1@3395.67,2564.96
  L3 Signal w7.04: v1(1449.8,1948.82) 1523.62,1948.82 1555.12,1917.32 1933.07,1917.32 2046.26,1804.13 2602.96,1804.13 2708.83,1910 v1(3290,1910)
  L4 Signal w7.04: v1(1250.98,2727.6) 1250.98,2671.26 1439.96,2482.29 1439.96,1959.27 1449.8,1949.42 v1(1449.8,1948.82) ; v1(3290,1910) 3270,1930 3270,2511.14 v1(3324.8,2565.95)
  L6 Bottom Layer w7.33: R18.1@1250,2668.31 1250,2726.61 v1(1250.98,2727.6)
MISO_MPI_RX_N: J10.9 R11.2 R130.1 U10.11 | length 803.1
  L1 Top Layer w6.06: U10.11@1244.06,830.71 1261.38,830.71 1268.85,838.18 1268.85,845.21 1272.4,848.76 1327.94,848.76 1331.49,845.21 1331.49,838.51 1344.21,825.79 R11.2@1344.49,825.79 1344.91,825.79 1357.63,838.51 1357.63,846.84 1361.18,850.39 1391.21,850.39 1394.76,846.84 1394.76,843.43 1407.48,830.71 R130.1@1409.45,830.71 1411.42,830.71 1424.14,843.43 1424.14,846.69 1427.69,850.24 1442.89,850.24 1460.08,867.43 1460.08,1092.88 1495.15,1127.95 1576.77,1127.95 1594.49,1110.24 1594.49,1038.23 1574.36,1018.1 1560.29,1018.1 J10.9@1543.71,1034.68
MISO_MPI_RX_NEN: R46.2 R89.1 | length 2931.4
  L1 Top Layer w7.33: R89.1@1728.43,449.88 1730.39,449.88 1741.14,460.63 R89.1@1741.14,462.6
  L1 Top Layer w10: v1(1684.06,482.28) 1703.74,462.6 R89.1@1741.14,462.6
  L4 Signal w7.04: v1(1381.89,2310.04) 1379.92,2308.07 1379.92,1603.35 1444.88,1538.39 1444.88,1463.58 1752.69,1155.77 1752.69,729.61 1752.23,729.15 1752.23,550.46 v1(1684.06,482.28)
  L6 Bottom Layer w7.33: v1(1381.89,2310.04) 1483.27,2310.04 1696.85,2523.62 1696.85,2706.69 1664.37,2739.17 1547.24,2739.17 1505.91,2697.83 R46.2@1505.91,2670.28
MISO_MPI_RX_P: J10.8 R8.1 R130.2 U10.12 | length 853.2
  L1 Top Layer w6.06: U10.12@1244.06,880.71 1262.31,880.71 1269.78,873.24 1269.78,868.37 1273.33,864.82 1327.94,864.82 1331.49,868.37 1331.49,875.08 1344.21,887.8 R8.1@1344.49,887.8 1346.46,887.8 1359.17,875.08 1359.17,868.71 1362.72,865.16 1391.21,865.16 1394.76,868.71 1394.76,873.11 1407.48,885.83 R130.2@1409.45,885.83 1411.42,885.83 1424.14,873.11 1424.14,869.85 1427.69,866.3 1436.24,866.3 1444.02,874.08 1444.02,1099.54 1488.5,1144.01 1583.42,1144.01 1610.55,1116.89 1610.55,1031.57 1581.01,1002.04 1560.29,1002.04 J10.8@1543.71,985.46
MISO_UART4_RX: J7.4 R29.1 | length 1893.3
  L1 Top Layer w7.33: R29.1@1857.28,1502.95 1860.24,1500 v1(1948.82,1500)
  L6 Bottom Layer w7.33: J7.4@1658.46,3157.48 1662.99,3152.96 1662.99,3067.33 1935.04,2795.28 1935.04,2659.45 1961.61,2632.87 1961.61,2230.6 1976.38,2215.84 1976.38,1527.56 v1(1948.82,1500)
MISO_UART5_RX: J14.1 R56.2 | length 4097.6
  L1 Top Layer w7.33: v1(687.99,2396.65) 750,2396.65 R56.2@750.98,2397.64 ; v1(3529.53,1221.46) 3529.53,1238.19 3561.02,1269.69 J14.1@3576.77,1269.69
  L3 Signal w7.04: v1(704.72,1358.27) 2966.54,1358.27 3103.35,1221.46 v1(3529.53,1221.46)
  L6 Bottom Layer w7.33: v1(687.99,2396.65) 687.99,2396.02 669.41,2377.44 669.41,1872.72 671.15,1870.98 671.15,1366.26 679.13,1358.27 v1(704.72,1358.27)
MISO_USART1_RX: R87.1 R109.1 | length 2597.8
  L1 Top Layer w7.33: R109.1@1074.8,2709.65 1088.85,2721.73 v1(1111.22,2749.13) ; v1(1315.94,482.28) 1346.46,482.28 1361.22,467.52 R87.1@1401.57,467.52
  L4 Signal w7.04: 1111.06,1556.06 1035.43,1480.43 1035.43,762.8 1223.43,574.8 ; 1111.22,1556.06 1111.22,1964.57 1066.93,2008.86 1066.93,2706.69 1109.37,2749.13 v1(1111.22,2749.13)
  L4 Signal w7.33: 1223.43,574.8 v1(1315.94,482.28)
MISO_USART2_RX: J9.2 R57.2 R137.1 | length 3329.4
  L1 Top Layer w7.33: R57.2@664.37,2182.09 664.37,2148.62 v1(692.91,2120.08) ; v1(3027.56,3095.47) 2997.05,3064.96 2997.05,3012.8 v1(3030.51,2979.33)
  L3 Signal w7.04: v1(692.91,2120.08) 692.91,2271.65 811.02,2389.76 1046.26,2389.76 1141.97,2485.47 2957.91,2485.47 v1(3030.83,2558.39)
  L6 Bottom Layer w7.33: J9.2@2980.32,3159.45 2980.32,3143.7 3027.56,3096.46 v1(3027.56,3095.47) ; v1(3030.51,2979.33) 3030.67,2979.17 3030.67,2558.55 v1(3030.83,2558.39)
MISO_USART3_RX: J3.4 R23.2 | length 2423.4
  L1 Top Layer w7.33: R23.2@1961.61,1921.26 1993.11,1921.26 v1(2029.53,1957.68)
  L3 Signal w7.33: v1(923.23,3213.58) 976.38,3160.43 v1(1933.73,3160.43)
  L6 Bottom Layer w7.33: J3.4@920.28,3157.48 923.23,3160.43 v1(923.23,3213.58) ; v1(1933.73,3160.43) 1953.74,3140.42 1953.74,2667.32 1985.24,2635.83 1985.24,2256.76 2039.37,2202.63 2039.37,1967.52 v1(2029.53,1957.68)
MOSI_LPUART1_TX: R21.1 R44.1 | length 3660.5
  L1 Top Layer w7.33: v1(3323.82,2628.94) 3394.69,2628.94 R44.1@3395.67,2629.92
  L3 Signal w7.04: v1(1489.17,1922.24) 1511.81,1899.61 1928.15,1899.61 2042.32,1785.43 2654.53,1785.43 2724.27,1855.18 v1(3245.9,1855.18)
  L4 Signal w7.04: v1(1315.94,2727.6) 1315.94,2658.46 1491.14,2483.27 1491.14,1924.21 v1(1489.17,1922.24) ; v1(3245.9,1855.18) 3245.9,2555.94 3313.97,2624.01 3315.47,2624.01 3320.4,2628.94 v1(3323.82,2628.94)
  L6 Bottom Layer w7.33: R21.1@1315.94,2669.29 v1(1315.94,2727.6)
MOSI_MPI_TX_EN: R43.2 R90.1 | length 2820.2
  L1 Top Layer w7.33: R90.1@1915.35,461.61 R90.1@1915.35,463.58
  L1 Top Layer w10: R90.1@1915.35,463.58 1947.83,463.58 v1(1966.54,482.28)
  L4 Signal w7.33: v1(1380.91,2362.2) 1407.48,2335.63 1407.48,1626.28 1472.44,1561.32 1472.44,1478.35 1964.68,986.11 1964.68,484.14 v1(1966.54,482.28)
  L6 Bottom Layer w7.33: v1(1380.91,2362.2) 1382.16,2363.46 1401.74,2363.46 1405.41,2367.13 1491.14,2367.13 1665.35,2541.34 1665.35,2690.95 1646.65,2709.65 1593.5,2709.65 1578.04,2694.18 1578.04,2674.5 R43.2@1572.83,2669.29
MOSI_MPI_TX_N: J10.7 U10.10 | length 519.2
  L1 Top Layer w6.06: U10.10@1244.06,780.71 1262.31,780.71 1269.78,773.24 1269.78,767.29 1273.33,763.74 1287.52,763.74 1351.45,699.8 1431.1,699.8 1476.07,744.77 1476.07,885.59 1510.15,919.68 1527.88,919.68 1543.71,935.5 J10.7@1543.71,936.25
  L6 Bottom Layer w6.06: J10.7@1543.71,934.6 J10.7@1543.71,936.25
MOSI_MPI_TX_P: J10.6 U10.9 | length 519.2
  L1 Top Layer w6.06: U10.9@1244.06,730.71 1262.31,730.71 1269.78,738.18 1269.78,744.13 1273.33,747.68 1280.86,747.68 1344.8,683.74 1437.75,683.74 1492.13,738.11 1492.13,878.94 1516.8,903.62 1527.88,903.62 1543.71,887.79 J10.6@1543.71,887.04
  L6 Bottom Layer w6.06: J10.6@1543.71,887.04 J10.6@1543.71,888.69
MOSI_UART4_TX: J7.3 R25.1 | length 1872.3
  L1 Top Layer w7.33: R25.1@1857.28,1569.88 1857.28,1567.91 1869.37,1555.83 1871.34,1555.83 1879.92,1547.24 1930.38,1547.24 v1(1945.87,1531.76)
  L6 Bottom Layer w7.33: J7.3@1609.25,3157.48 1617.73,3149 1617.73,3081.09 1913.39,2785.43 1913.39,2650.59 1940.94,2623.03 1940.94,2216.54 1947.83,2209.65 1947.83,1533.72 v1(1945.87,1531.76)
MOSI_UART5_TX: J14.2 R40.2 | length 4184.2
  L1 Top Layer w7.33: v1(682.09,2468.5) 747.05,2468.5 R40.2@750,2465.55 ; v1(3490.16,1293.31) 3515.75,1318.9 J14.2@3576.77,1318.9
  L3 Signal w7.04: v1(647.64,1389.76) 2972.44,1389.76 3117.13,1245.08 3441.93,1245.08 v1(3490.16,1293.31)
  L6 Bottom Layer w7.33: v1(647.64,1389.76) 647.64,1910.63 644.69,1913.58 644.69,2431.1 v1(682.09,2468.5)
MOSI_USART1_TX: R88.2 R107.1 | length 2668
  L1 Top Layer w7.33: R107.1@1145.67,2721.46 v1(1145.67,2749.13) ; v1(1316.93,516.73) 1473.43,516.73 R88.2@1521.65,468.5
  L1 Top Layer w10: R88.2@1521.65,466.54 R88.2@1521.65,468.5
  L4 Signal w7.04: 1064.96,768.7 1064.96,1468.5 1142,1545.54 1142,1966.27 1090.55,2017.72 1090.55,2695.42 1144.26,2749.13 v1(1145.67,2749.13)
  L4 Signal w7.33: 1064.96,768.7 v1(1316.93,516.73)
MOSI_USART2_TX: J9.1 R16.2 | length 3101.6
  L1 Top Layer w7.33: R16.2@664.37,2249.02 664.37,2275.92 694.6,2306.15 v1(694.6,2306.38)
  L3 Signal w7.33: v1(694.6,2306.38) 695.16,2306.38 798.94,2410.16 1035.16,2410.16 1128.19,2503.19 2939.21,2503.19 v1(2994.09,2558.07)
  L6 Bottom Layer w7.33: J9.1@2931.1,3143.7 2994.7,3080.11 2994.7,2558.67 v1(2994.09,2558.07)
  L6 Bottom Layer w10: J9.1@2931.1,3143.7 J9.1@2931.1,3159.45
MOSI_USART3_TX: J3.3 R50.1 | length 2717.3
  L1 Top Layer w7.33: R50.1@1971.46,1779.53 1971.46,1777.56 1982.2,1766.81 2004.82,1744.19 2046.67,1744.19 v1(2047.24,1743.62)
  L3 Signal w7.33: v1(872.05,3214.57) 950.9,3135.71 1959.76,3135.71 v1(1977.36,3118.11)
  L6 Bottom Layer w7.33: J3.3@871.06,3157.48 872.05,3158.46 v1(872.05,3214.57) ; v1(1977.36,3118.11) 1977.36,3028.21 1974.78,3025.64 1974.78,2679.74 2006.61,2647.91 2006.61,2367.1 2067.91,2305.8 2067.91,1766.73 2047.24,1746.06 v1(2047.24,1743.62)
N_UHF_CTL: C46.2 R66.2 U13.4 U14.4 | length 1214.3
  L1 Top Layer w7.33: U14.4@1860.24,182.48 1860.24,233.27 2115.16,488.19 v1(2172.24,488.19) ; U13.4@2481.3,474.61 2529.72,474.61 2596.46,541.34 C46.2@2598.43,541.34 R66.2@2658.46,541.34 2659.45,540.35 v1(2659.45,492.13)
  L3 Signal w7.33: v1(2172.24,488.19) 2174.21,490.16 2657.48,490.16 v1@2658.46,491.14
  L3 Signal w10: v1@2658.46,491.14 v1(2659.45,492.13)
  L6 Bottom Layer w10: v1@2656.83,492.13 v1(2659.45,492.13)
Net*1_1: *1.1 R4.2 | length 178.4
  L1 Top Layer w7.33: R4.2@175.2,3415.35 175.2,3413.39 200,3388.58 *1.1@200,3247.24
Net*2_1: *2.1 R5.2 | length 181.7
  L1 Top Layer w7.33: *2.1@3575.59,3347.24 3575.59,3178.35 R5.2@3584.65,3169.29
Net*3_1: *3.1 R6.2 | length 195.2
  L1 Top Layer w7.33: R6.2@187.56,160 198.31,170.75 198.31,348.31 *3.1@200,350
Net*4_1: *4.1 R7.2 | length 178.4
  L1 Top Layer w7.33: R7.2@3567.44,375 3575.59,366.85 *4.1@3575.59,200
NetC21_1: C21.1 pad.3@1493.11,1504.92 U1.23 Y1.3 | length 236.9
  L1 Top Layer w10: U1.23@1400.44,1681.29 1400.44,1627.8 C21.1@1389.76,1617.13 1389.76,1585.63 1440.94,1534.45 Y1.3@1442.91,1534.45 1448.45,1528.91 1469.12,1528.91 pad.3@1493.11,1504.92
NetC42_1: C42.1 J17.1 | length 222.5
  L1 Top Layer w7: J17.1@2241.14,185.04 C42.1@2245.08,407.48
NetC42_2: C42.2 U13.1 | length 110.9
  L1 Top Layer w7: C42.2@2300.2,407.48 U13.1@2406.5,375.79
NetC45_1: C45.1 U13.5 | length 81.1
  L1 Top Layer w7: U13.5@2443.9,474.61 C45.1@2444.72,529.36 ; C45.1@2443.9,528.54 C45.1@2444.72,529.36 ; C45.1@2444.88,540.35 2444.87,539.52 C45.1@2444.72,529.36 ; C45.1@2454.72,539.37 C45.1@2444.72,529.36
NetC45_2: C45.2 J18.1 | length 224.9
  L1 Top Layer w7: C45.2@2453.74,591.54 C45.2@2454.87,592.67 ; C45.2@2454.72,594.49 2456.69,596.46 J18.1@2456.69,816.93
NetC47_1: C47.1 J20.1 | length 225.1
  L1 Top Layer w7: C47.1@2629.92,401.57 2629.92,384.72 2650.59,364.05 J20.1@2650.59,185.04
NetC47_2: C47.2 U13.3 | length 97
  L1 Top Layer w7: U13.3@2481.3,375.79 C47.2@2574.8,401.57
NetD1_A: D1.A R1.1 | length 70.9
  L1 Top Layer w7.33: D1.A@778.06,1599.34 782.99,1594.42 R1.1@782.99,1530.44
NetD2_A: D2.A R2.1 | length 61.1
  L1 Top Layer w7.33: D2.A@778.06,1461.54 782.99,1456.62 R2.1@782.99,1402.49
NetD3_A: D3.A R134.1 | length 64.8
  L1 Top Layer w7.33: D3.A@54.43,2294.46 61.15,2301.18 R134.1@116.45,2301.18
NetD4_A: D4.A R135.1 | length 68.4
  L1 Top Layer w10: D4.A@46.26,901.57 52.17,907.48 R135.1@112.2,907.48
NetD5_A: D5.A R136.1 | length 61
  L1 Top Layer w10: D5.A@51.18,2654.53 R136.1@112.2,2654.53
NetD6_A: D6.A R3.2 | length 61.1
  L1 Top Layer w7.33: R3.2@782.99,1274.54 D6.A@782.99,1328.67
  L1 Top Layer w10: D6.A@778.06,1333.59 D6.A@782.99,1328.67
NetJ3_1: J3.1 R61.2 | length 96.1
  L1 Top Layer w7.33: R61.2@756.89,3067.91 756.89,3096.52 770.67,3110.3 v1(770.67,3112.2)
  L6 Bottom Layer w7.33: v1(770.67,3112.2) 770.67,3155.51 J3.1@772.64,3157.48
NetJ3_2: J3.2 R63.2 | length 90
  L1 Top Layer w7.33: v1(821.85,3112.2) 821.85,3068.9 R63.2@822.83,3067.91
  L6 Bottom Layer w7.33: v1(821.85,3112.2) J3.2@821.85,3157.48
NetJ3_5: J3.5 R68.2 | length 100.2
  L1 Top Layer w7.33: R68.2@947.83,3067.91 949.61,3069.69 949.61,3090.36 v1(971.46,3112.2)
  L6 Bottom Layer w7.33: J3.5@969.49,3157.48 971.46,3155.51 v1(971.46,3112.2)
NetJ3_6: J3.6 R69.2 | length 91.2
  L1 Top Layer w7.33: R69.2@1014.76,3067.91 1018.7,3071.85 v1(1018.7,3112.2)
  L6 Bottom Layer w7.33: v1(1018.7,3112.2) J3.6@1018.7,3157.48
NetJ3_8: J3.8 R74.2 | length 94.5
  L1 Top Layer w7.33: v1(1117.13,3112.2) 1117.13,3108.86 1128.94,3097.05 R74.2@1128.94,3067.91
  L6 Bottom Layer w7.33: v1(1117.13,3112.2) J3.8@1117.13,3157.48
NetJ5_1: J5.1 J5.3 J5.5 J5.7 J5.9 J5.11 J5.13 R132.2 | length 824.2
  L1 Top Layer w7.33: R132.2@115.16,548.23 115.16,546.26 158.46,502.95 252.95,502.95 J5.1@300,550 J5.3@300,650 J5.5@300,750 J5.7@300,850 J5.9@300,950 J5.11@300,1050 J5.13@300,1150
NetJ5_2: J5.2 J5.4 J5.6 J5.8 J5.10 J5.12 J5.14 R133.1 | length 712
  L1 Top Layer w7.33: R133.1@116.14,615.16 116.14,613.19 128.22,601.11 128.84,601.11 171.03,558.92 191.08,558.92 J5.2@200,550 J5.4@200,650 J5.6@200,750 J5.8@200,850 J5.10@200,950 J5.12@200,1050 J5.14@200,1150
NetJ5_15: J5.15 R121.2 | length 285.9
  L1 Top Layer w7.33: R121.2@113.19,1074.8 113.19,1076.77 152.56,1116.14 152.56,1159.45 167.5,1174.39 cw(c200,1150) 171.62,1179.08 197.06,1203.95 253.96,1203.96 J5.15@300,1250
NetJ5_16: J5.16 R122.1 | length 145.4
  L1 Top Layer w7.33: R122.1@113.19,1141.73 113.19,1143.7 125.27,1155.78 127.24,1155.78 191.08,1219.63 191.08,1241.08 J5.16@200,1250
NetJ5_17: J5.17 R116.2 | length 258.2
  L1 Top Layer w7.33: R116.2@114.17,1208.66 114.17,1210.63 126.26,1222.71 126.26,1225.31 127.95,1227.01 127.95,1227.36 150.59,1250 150.59,1268.7 185.85,1303.96 253.96,1303.96 J5.17@300,1350
NetJ5_18: J5.18 R118.1 | length 117.8
  L1 Top Layer w7.33: R118.1@114.17,1275.59 114.17,1277.56 177.7,1341.08 191.08,1341.08 J5.18@200,1350
NetJ5_19: J5.19 R114.2 | length 232.5
  L1 Top Layer w7.33: R114.2@113.19,1342.52 113.19,1344.49 125.27,1356.57 127.24,1356.57 169.29,1398.62 248.62,1398.62 J5.19@300,1450
NetJ5_20: J5.20 R115.1 | length 105.2
  L1 Top Layer w7.33: R115.1@113.19,1408.46 113.19,1410.43 125.27,1422.52 127.24,1422.52 154.72,1450 J5.20@200,1450
NetJ5_21: J5.21 R110.2 | length 310.9
  L1 Top Layer w7.33: J5.21@300,1550 349.02,1500.98 R110.2@590.55,1500.98